# Altium PCB AD6645.PcbDoc (part 2 of 2)
Units mil, origin at the board's own origin, x right, y up, seen from the top; angles counter-clockwise.
Board outline 2685.03 x 2690.03 mil, 4 copper layers (Top Layer, GND Layer, PWR Layer, Bottom Layer), stack 61.855 mil thick; 69 components, 85 nets, 366 pads, 493 vias.
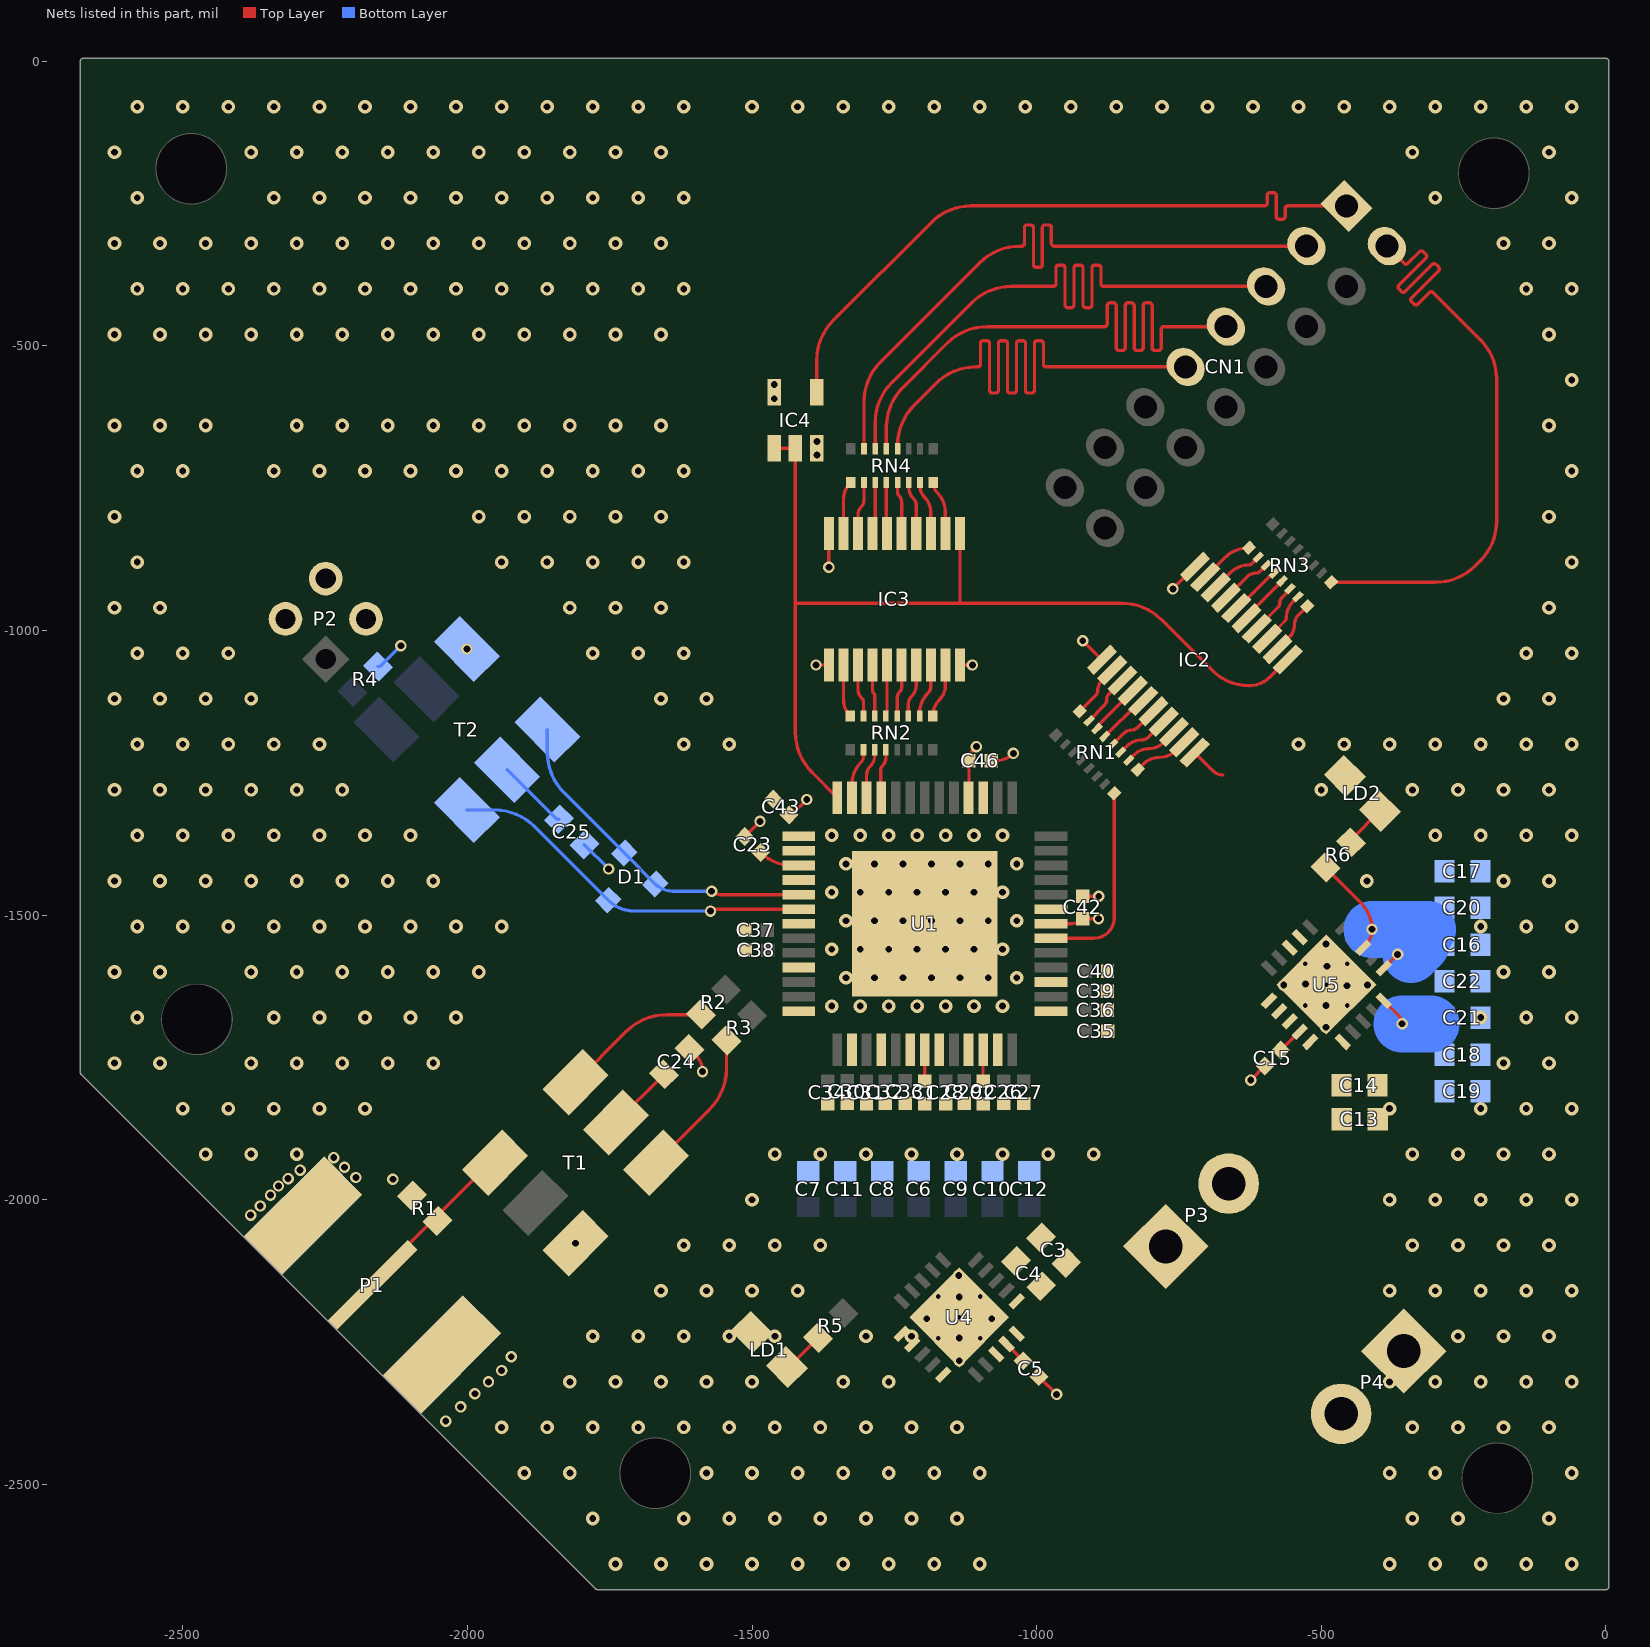
[diagram p4: the nets of this part, all layers, seen from the top]

## Via types
v1: diameter 24, hole 12, Top Layer to Bottom Layer, tented both sides, 422 vias
v2: diameter 20, hole 12, Top Layer to Bottom Layer, tented both sides, 71 vias

## Nets (pads, with @x,y where several pads share a name; then routed paths per layer and width w, separated by ;. In a path a pad name is that pad's centre, name@x,y a point inside that pad or via, vN(x,y) a via of type N, cw(c..) or ccw(c..) an arc to the next point about the centre after c; other vN are vias at no path point) (continued)
D10_OUT: CN1.9 RN4.12 | length 1197.6
  Top Layer w5.78: RN4.12@-1242.61,-680.94 RN4.12@-1244.37,-680.94 -1244.37,-674.79 cw(c-1144.37,-674.79) -1215.08,-604.08 -1177.29,-566.29 cw(c-1106.58,-637) -1106.58,-537 -1103.42,-537 ccw(c-1103.42,-532.27) -1098.69,-532.27 -1098.69,-495.77 cw(c-1093.95,-495.77) -1093.95,-491.04 -1087.64,-491.04 cw(c-1087.64,-495.77) -1082.91,-495.77 -1082.91,-578.23 ccw(c-1078.17,-578.23) -1078.17,-582.96 -1071.86,-582.96 ccw(c-1071.86,-578.23) -1067.13,-578.23 -1067.13,-495.77 cw(c-1062.39,-495.77) -1062.39,-491.04 -1056.08,-491.04 cw(c-1056.08,-495.77) -1051.35,-495.77 -1051.35,-578.23 ccw(c-1046.61,-578.23) -1046.61,-582.96 -1040.3,-582.96 ccw(c-1040.3,-578.23) -1035.57,-578.23 -1035.57,-495.77 cw(c-1030.83,-495.77) -1030.83,-491.04 -1024.52,-491.04 cw(c-1024.52,-495.77) -1019.79,-495.77 -1019.79,-578.23 ccw(c-1015.05,-578.23) -1015.05,-582.96 -1008.74,-582.96 ccw(c-1008.74,-578.23) -1004.01,-578.23 -1004.01,-495.77 cw(c-999.27,-495.77) -999.27,-491.04 -992.96,-491.04 cw(c-992.96,-495.77) -988.23,-495.77 -988.23,-532.27 ccw(c-983.49,-532.27) -983.49,-537 CN1.9@-738.42,-537
D11: RN2.4 U1.49 | length 86.9
  Top Layer w5.78: U1.49@-1273.32,-1293.76 cw(c-1271.67,-1292.11) -1274,-1292.11 -1274,-1245.24 cw(c-1263.76,-1245.24) -1271,-1238 ccw(c-1285.87,-1223.13) -1264.84,-1223.13 RN2.4@-1264.84,-1209.53
D11_OUT: CN1.7 RN4.13 | length 1195.8
  Top Layer w5.78: RN4.13@-1264.06,-680.94 -1264.06,-643.48 cw(c-1164.06,-643.48) -1234.77,-572.77 -1157.58,-495.58 cw(c-1086.87,-566.29) -1086.87,-466.29 -880.84,-466.29 ccw(c-880.84,-461.56) -876.11,-461.56 -876.11,-429.24 cw(c-871.38,-429.24) -871.38,-424.51 -865.06,-424.51 cw(c-865.06,-429.24) -860.33,-429.24 -860.33,-503.34 ccw(c-855.6,-503.34) -855.6,-508.07 -849.28,-508.07 ccw(c-849.28,-503.34) -844.55,-503.34 -844.55,-429.24 cw(c-839.82,-429.24) -839.82,-424.51 -833.5,-424.51 cw(c-833.5,-429.24) -828.77,-429.24 -828.77,-503.34 ccw(c-824.04,-503.34) -824.04,-508.07 -817.72,-508.07 ccw(c-817.72,-503.34) -812.99,-503.34 -812.99,-429.24 cw(c-808.26,-429.24) -808.26,-424.51 -801.94,-424.51 cw(c-801.94,-429.24) -797.21,-429.24 -797.21,-503.34 ccw(c-792.48,-503.34) -792.48,-508.07 -786.16,-508.07 ccw(c-786.16,-503.34) -781.43,-503.34 -781.43,-471.02 cw(c-776.7,-471.02) -776.7,-466.29 CN1.7@-667.71,-466.29
D12: RN2.3 U1.50 | length 88.1
  Top Layer w5.78: U1.50@-1298.91,-1293.76 -1298.91,-1254.67 cw(c-1275.33,-1254.67) -1292,-1238 ccw(c-1310.04,-1219.96) -1284.53,-1219.96 RN2.3@-1284.53,-1209.53
D12_OUT: CN1.5 RN4.14 | length 1195.8
  Top Layer w5.78: RN4.14@-1283.74,-680.94 -1283.74,-635.16 cw(c-1183.74,-635.16) -1254.45,-564.45 -1114.87,-424.87 cw(c-1044.16,-495.58) -1044.16,-395.58 -970.84,-395.58 ccw(c-970.84,-390.84) -966.11,-390.84 -966.11,-363.04 cw(c-961.38,-363.04) -961.38,-358.3 -955.06,-358.3 cw(c-955.06,-363.04) -950.33,-363.04 -950.33,-428.12 ccw(c-945.6,-428.12) -945.6,-432.85 -939.28,-432.85 ccw(c-939.28,-428.12) -934.55,-428.12 -934.55,-363.04 cw(c-929.82,-363.04) -929.82,-358.3 -923.5,-358.3 cw(c-923.5,-363.04) -918.77,-363.04 -918.77,-428.12 ccw(c-914.04,-428.12) -914.04,-432.85 -907.72,-432.85 ccw(c-907.72,-428.12) -902.99,-428.12 -902.99,-363.04 cw(c-898.26,-363.04) -898.26,-358.3 -891.94,-358.3 cw(c-891.94,-363.04) -887.21,-363.04 -887.21,-390.84 ccw(c-882.48,-390.84) -882.48,-395.58 CN1.5@-597,-395.58
D13: RN2.2 U1.51 | length 65.3
  Top Layer w5.78: U1.51@-1324.5,-1269.41 cw(c-1271.59,-1269.41) -1309,-1232 ccw(c-1320.56,-1220.44) -1304.21,-1220.44 RN2.2@-1304.21,-1209.53
D13_OUT: CN1.3 RN4.15 | length 1195.8
  Top Layer w5.78: RN4.15@-1303.43,-680.94 -1303.43,-598.85 cw(c-1203.43,-598.85) -1274.14,-528.14 -1100.16,-354.16 cw(c-1029.45,-424.87) -1029.45,-324.87 -1026.29,-324.87 ccw(c-1026.29,-320.13) -1021.56,-320.13 -1021.56,-292.32 cw(c-1016.82,-292.32) -1016.82,-287.59 -1010.51,-287.59 cw(c-1010.51,-292.32) -1005.78,-292.32 -1005.78,-357.41 ccw(c-1001.04,-357.41) -1001.04,-362.15 -994.73,-362.15 ccw(c-994.73,-357.41) -990,-357.41 -990,-292.32 cw(c-985.26,-292.32) -985.26,-287.59 -978.95,-287.59 cw(c-978.95,-292.32) -974.22,-292.32 -974.22,-320.13 ccw(c-969.48,-320.13) -969.48,-324.87 CN1.3@-526.29,-324.87
DRY: IC2.11 IC3.11 IC4.1 IC4.2 U1.52 | length 1729.8
  Top Layer w5.78: IC4.1@-1461.4,-680 IC4.2@-1424,-680 ; IC4.2@-1424,-684.21 -1424,-952 ; U1.52@-1350.09,-1293.76 -1394.71,-1249.14 cw(c-1324,-1178.43) -1424,-1178.43 -1424,-952 ; IC3.11@-1134.84,-829.33 -1134.84,-949.97 ccw(c-1131.97,-949.97) -1134,-952 ; IC2.11@-558.94,-1050.9 -589.52,-1081.48 cw(c-627,-1044) -627,-1097 cw(c-627,-1005.26) -691.87,-1070.13 -780.71,-981.29 ccw(c-851.42,-1052) -851.42,-952 -1134,-952 ; -1424,-952 -1134,-952
DRY_OUT: CN1.1 IC4.4 | length 1195.8
  Top Layer w5.78: IC4.4@-1386.6,-581.57 -1386.6,-526.02 cw(c-1286.6,-526.02) -1357.31,-455.31 -1185.45,-283.45 cw(c-1114.74,-354.16) -1114.74,-254.16 -599.84,-254.16 ccw(c-599.84,-249.42) -595.11,-249.42 -595.11,-235.61 cw(c-590.38,-235.61) -590.38,-230.87 -584.06,-230.87 cw(c-584.06,-235.61) -579.33,-235.61 -579.33,-272.71 ccw(c-574.6,-272.71) -574.6,-277.44 -568.28,-277.44 ccw(c-568.28,-272.71) -563.55,-272.71 -563.55,-258.89 cw(c-558.82,-258.89) -558.82,-254.16 CN1.1@-455.58,-254.16
DVCC: C16.2 C17.2 C18.2 C19.2 C20.2 C21.2 C22.2 C42.2 C43.2 C46.2 IC2.20 IC3.20 IC4.5 R6.1 U1.1 U1.33 U1.43 U5.1 U5.3 U5.20 | length 880.8
  Top Layer w5.78: C43.2@-1435,-1324 ccw(c-1435,-1314.34) -1428.17,-1321.17 v2(-1404,-1297) ; v2@-1365.16,-886.84 IC3.20@-1365.16,-829.33 ; v2(-1365,-889) -1365,-887 v2@-1362,-884 ; U1.43@-1119.77,-1293.76 ccw(c-1121.64,-1291.9) -1119,-1291.9 C46.2@-1119,-1229 cw(c-1090.03,-1229) -1110.51,-1208.51 v2(-1106,-1204) ; U1.33@-975.09,-1515.22 -940.37,-1515.22 ccw(c-940.37,-1485) C42.2@-919,-1506.37 v2(-891.37,-1506.37) ; v2(-760.76,-927) IC2.20@-721.8,-888.04 ; R6.1@-492.54,-1416.54 -430.03,-1479.05 cw(c-475.98,-1525) v2(-411,-1525) cw(c-450.95,-1525) -422.7,-1553.25 U5.3@-426.81,-1557.36 ; U5.20@-390.62,-1650.62 -363.49,-1677.75 cw(c-376.74,-1691) v2(-358,-1691) ; U5.1@-390.62,-1593.55 v2(-366.07,-1569)
  Bottom Layer w5.78: v2(-366.07,-1569) -342.22,-1569 C16.2@-293,-1569 ; -307,-1691 -293.83,-1691 C21.2@-283.5,-1680.67 ; -290,-1525 -289,-1526
  Bottom Layer w100: v2(-411,-1525) -313,-1525 ; v2(-358,-1691) -307,-1691 ; -342.22,-1569 -325.06,-1551.83
  other v2: -1461,-593 -1461,-568
GND: C1.2 C2.2 C3.1 C4.1 C5.1 C6.1 C7.1 C8.1 C9.1 C10.1 C11.1 C12.1 C13.1 C14.1 C15.1 C16.1 C17.1 C18.1 C19.1 C20.1 C21.1 C22.1 C23.1 C24.2 C25.2 C26.1 C27.1 C28.1 C29.1 C30.1 C31.1 C32.1 C33.1 C34.1 C35.1 C36.1 C37.1 C38.1 C39.1 C40.1 C42.1 C43.1 C46.1 IC2.1 IC2.10 IC3.1 IC3.10 IC4.3 LD1.2 LD2.2 P1.2 P2.2 P2.3 P2.4 P3.2 P4.1 R1.1 R4.1 T1.3 T2.3 U1.2 U1.4 U1.7 U1.10 U1.13 U1.15 U1.17 U1.19 U1.21 U1.23 U1.25 U1.27 U1.29 U1.34 U1.42 U1.EPAD U4.6 U4.7 U4.10 U4.21 U5.7 U5.8 U5.11 U5.12 U5.21 | length 507.5
  Top Layer w5.78: C24.2@-1610,-1735 -1599.02,-1745.98 cw(c-1628.04,-1775) v2(-1587,-1775) ; C23.1@-1512.84,-1362.16 v2(-1486,-1335.32) ; v2(-1387.67,-1060.67) IC3.1@-1365.16,-1060.67 ; IC3.10@-1134.84,-1060.67 v2(-1113.03,-1060.67) ; C46.1@-1079.63,-1229 -1072.38,-1229 ccw(c-1072.38,-1184.62) v2(-1041,-1216) ; C5.1@-996.16,-2310.84 v2(-965,-2342) ; C42.1@-919,-1467 v2(-891,-1467) ; v2(-919,-1018) IC2.1@-885.38,-1051.62 ; IC2.10@-722.52,-1214.48 -690.07,-1246.93 ccw(c-673,-1229.86) -673,-1254 ; v2(-624,-1790) C15.1@-599,-1765
  Bottom Layer w5.78: R4.1@-2157.46,-1063.46 ccw(c-2157.46,-1053.8) -2150.63,-1060.63 v2(-2117,-1027) ; C25.2@-1794.73,-1376.27 v2(-1752,-1419)
  other v1: -1740,-2640 -1660,-2640 -1580,-2640 -1500,-2640 -1420,-2640 -1340,-2640 -1260,-2640 -1180,-2640 -1100,-2640 -380,-2640 -300,-2640 -220,-2640 -140,-2640 -60,-2640 -1780,-2560 -1620,-2560 -1540,-2560 -1460,-2560 -1380,-2560 -1300,-2560 -1220,-2560 -1140,-2560 -340,-2560 -260,-2560 -100,-2560 -1900,-2480 -1820,-2480 -1580,-2480 -1500,-2480 -1420,-2480 -1340,-2480 -1260,-2480 -1180,-2480 -1100,-2480 -380,-2480 -300,-2480 -60,-2480 -1940,-2400 -1860,-2400 -1780,-2400 -1700,-2400 -1620,-2400 -1540,-2400 -1460,-2400 -1380,-2400 -1300,-2400 -1220,-2400 -1140,-2400 -340,-2400 -260,-2400 -180,-2400 -100,-2400 -1820,-2320 -1740,-2320 -1660,-2320 -1580,-2320 -1500,-2320 -1340,-2320 -1260,-2320 -380,-2320 -300,-2320 -220,-2320 -140,-2320 -60,-2320 -1780,-2240 -1700,-2240 -1620,-2240 -1540,-2240 -1460,-2240 -1300,-2240 -1220,-2240 -260,-2240 -180,-2240 -100,-2240 -1660,-2160 -1580,-2160 -1500,-2160 -1420,-2160 -380,-2160 -300,-2160 -220,-2160 -140,-2160 -60,-2160 -1620,-2080 -1540,-2080 -1460,-2080 -1380,-2080 -340,-2080 -260,-2080 -180,-2080 -100,-2080 -1500,-2000 -380,-2000 -300,-2000 -220,-2000 -140,-2000 -60,-2000 -2460,-1920 -2380,-1920 -2300,-1920 -1460,-1920 -1380,-1920 -1300,-1920 -1220,-1920 -1140,-1920 -1060,-1920 -980,-1920 -900,-1920 -340,-1920 -260,-1920 -180,-1920 -100,-1920 -2500,-1840 -2420,-1840 -2340,-1840 -2260,-1840 -2180,-1840 -380,-1840 -220,-1840 -140,-1840 -60,-1840 -2620,-1760 -2540,-1760 -2380,-1760 -2300,-1760 -2220,-1760 -2140,-1760 -2060,-1760 -180,-1760 -100,-1760 -2580,-1680 -2340,-1680 -2260,-1680 -2180,-1680 -2100,-1680 -2020,-1680 -220,-1680 -140,-1680 -60,-1680 -1360,-1660 -1310,-1660 -1260,-1660 -1210,-1660 -1160,-1660 -1110,-1660 -1060,-1660 -1335,-1610 -1285,-1610 -1235,-1610 -1185,-1610 -1135,-1610 -1085,-1610 -1035,-1610 -2620,-1600 -2540,-1600 -2380,-1600 -2300,-1600 -2220,-1600 -2140,-1600 -2060,-1600 -1980,-1600 -180,-1600 -100,-1600 -1360,-1560 -1310,-1560 -1260,-1560 -1210,-1560 -1160,-1560 -1110,-1560 -1060,-1560 -2580,-1520 -2500,-1520 -2420,-1520 -2340,-1520 -2260,-1520 -2180,-1520 -2100,-1520 -2020,-1520 -1940,-1520 -220,-1520 -140,-1520 -60,-1520 -1335,-1510 -1285,-1510 -1235,-1510 -1185,-1510 -1135,-1510 -1085,-1510 -1035,-1510 -1360,-1460 -1310,-1460 -1260,-1460 -1210,-1460 -1160,-1460 -1110,-1460 -1060,-1460 -2620,-1440 -2540,-1440 -2460,-1440 -2380,-1440 -2300,-1440 -2220,-1440 -2140,-1440 -2060,-1440 -420,-1440 -180,-1440 -100,-1440 -1335,-1410 -1285,-1410 -1235,-1410 -1185,-1410 -1135,-1410 -1085,-1410 -1035,-1410 -2580,-1360 -2500,-1360 -2420,-1360 -2340,-1360 -2260,-1360 -2180,-1360 -2100,-1360 -1360,-1360 -1310,-1360 -1260,-1360 -1210,-1360 -1160,-1360 -1110,-1360 -1060,-1360 -300,-1360 -220,-1360 -140,-1360 -60,-1360 -2620,-1280 -2540,-1280 -2460,-1280 -2380,-1280 -2300,-1280 -2220,-1280 -500,-1280 -340,-1280 -260,-1280 -180,-1280 -100,-1280 -2580,-1200 -2500,-1200 -2420,-1200 -2340,-1200 -2260,-1200 -1620,-1200 -1540,-1200 -540,-1200 -460,-1200 -380,-1200 -300,-1200 -220,-1200 -140,-1200 -60,-1200 -2620,-1120 -2540,-1120 -2460,-1120 -2380,-1120 -1660,-1120 -1580,-1120 -180,-1120 -100,-1120 -2580,-1040 -2500,-1040 -2420,-1040 -1780,-1040 -1700,-1040 -1620,-1040 -140,-1040 -60,-1040 -2620,-960 -2540,-960 -1820,-960 -1740,-960 -1660,-960 -100,-960 -2580,-880 -1940,-880 -1860,-880 -1780,-880 -1700,-880 -1620,-880 -60,-880 -2620,-800 -1980,-800 -1900,-800 -1820,-800 -1740,-800 -1660,-800 -100,-800 -2580,-720 -2500,-720 -2340,-720 -2260,-720 -2180,-720 -2100,-720 -2020,-720 -1940,-720 -1860,-720 -1780,-720 -1700,-720 -1620,-720 -60,-720 -2620,-640 -2540,-640 -2460,-640 -2300,-640 -2220,-640 -2140,-640 -2060,-640 -1980,-640 -1900,-640 -1820,-640 -1740,-640 -1660,-640 -100,-640 -60,-560 -2620,-480 -2540,-480 -2460,-480 -2380,-480 -2300,-480 -2220,-480 -2140,-480 -2060,-480 -1980,-480 -1900,-480 -1820,-480 -1740,-480 -1660,-480 -100,-480 -2580,-400 -2500,-400 -2420,-400 -2340,-400 -2260,-400 -2180,-400 -2100,-400 -2020,-400 -1940,-400 -1860,-400 -1780,-400 -1700,-400 -1620,-400 -140,-400 -60,-400 -2620,-320 -2540,-320 -2460,-320 -2380,-320 -2300,-320 -2220,-320 -2140,-320 -2060,-320 -1980,-320 -1900,-320 -1820,-320 -1740,-320 -1660,-320 -180,-320 -100,-320 -2580,-240 -2340,-240 -2260,-240 -2180,-240 -2100,-240 -2020,-240 -1940,-240 -1860,-240 -1780,-240 -1700,-240 -1620,-240 -300,-240 -60,-240 -2620,-160 -2380,-160 -2300,-160 -2220,-160 -2140,-160 -2060,-160 -1980,-160 -1900,-160 -1820,-160 -1740,-160 -1660,-160 -340,-160 -100,-160 -2580,-80 -2500,-80 -2420,-80 -2340,-80 -2260,-80 -2180,-80 -2100,-80 -2020,-80 -1940,-80 -1860,-80 -1780,-80 -1700,-80 -1620,-80 -1500,-80 -1420,-80 -1340,-80 -1260,-80 -1180,-80 -1100,-80 -1020,-80 -940,-80 -860,-80 -780,-80 -700,-80 -620,-80 -540,-80 -460,-80 -380,-80 -300,-80 -220,-80 -140,-80 -60,-80
  other v2: -2038,-2389 -2012,-2364 -1987,-2341 -1963,-2320 -1940,-2300 -1136,-2283 -1923,-2276 -1136,-2243 -1193,-2209 -1079,-2209 -1136,-2171 -1137,-2133 -1810,-2076.42 -2381,-2027 -2364,-2011 -2346,-1992 -2332,-1976 -2131,-1964 -2315,-1963 -2196,-1961 -2294,-1948 -2216,-1943 -2235,-1926 -492,-1697 -492,-1659 -455,-1624 -566,-1623 -419,-1623 -528,-1621 -490,-1590 -492,-1551 -2001,-1032.58 -1386,-692 -1386,-668
NetC1_1: C1.1 U1.20 | length 55.4
  Top Layer w5.78: C1.1@-1197,-1792 ccw(c-1198.1,-1790.9) -1196.54,-1790.9 U1.20@-1196.54,-1736.68
NetC2_1: C2.1 U1.24 | length 55.1
  Top Layer w5.78: C2.1@-1094.18,-1791.82 U1.24@-1094.18,-1736.68
NetC5_2: C5.2 U4.14 | length 42.3
  Top Layer w5.78: U4.14@-1054.18,-2253.63 cw(c-1054.18,-2255.58) -1052.8,-2254.2 C5.2@-1024,-2283
NetC15_2: C15.2 U5.14 | length 46.3
  Top Layer w5.78: C15.2@-571.16,-1737.16 -539.43,-1705.43 cw(c-538.16,-1706.69) U5.14@-538.16,-1704.9
NetC24_1: C24.1 T1.5 | length 119.9
  Top Layer w5.78: T1.5@-1739.29,-1864.29 C24.1@-1654.54,-1779.54
NetC25_1: C25.1 T2.5 | length 126.6
  Bottom Layer w5.78: T2.5@-1930.29,-1244.71 -1846.1,-1328.9 ccw(c-1839.27,-1322.07) C25.1@-1839.27,-1331.73
NetD1_1: D1.1 D1.2 T2.4 U1.5 | length 602.6
  Top Layer w5.78: v2(-1571,-1458) ccw(c-1556.42,-1443.42) -1556.42,-1464.04 U1.5@-1418,-1464.04
  Bottom Layer w5.78: T2.4@-1859.58,-1174 -1859.58,-1214.32 ccw(c-1759.58,-1214.32) -1830.29,-1285.03 D1.1@-1724.44,-1390.88 D1.2@-1669.88,-1445.44 ccw(c-1639.56,-1415.13) -1639.56,-1458 v2(-1571,-1458)
NetD1_3: D1.3 T2.6 U1.6 | length 650.3
  Top Layer w5.78: v2(-1573,-1493) cw(c-1564.86,-1501.14) -1564.86,-1489.63 U1.6@-1418,-1489.63
  Bottom Layer w5.78: T2.6@-2001,-1315.42 -1952.68,-1315.42 cw(c-1952.68,-1415.42) -1881.97,-1344.71 D1.3@-1752.84,-1473.84 ccw(c-1706.58,-1427.58) -1706.58,-1493 v2(-1573,-1493)
NetIC2_2: IC2.2 RN1.16 | length 94.4
  Top Layer w5.78: RN1.16@-924.45,-1142.03 -895.53,-1113.12 ccw(c-901.65,-1107) -893,-1107 cw(c-865.06,-1107) -884.82,-1087.25 IC2.2@-867.29,-1069.71
NetIC2_3: IC2.3 RN1.15 | length 93.8
  Top Layer w5.78: RN1.15@-908.08,-1158.4 -881.47,-1131.79 ccw(c-892.26,-1121) -877,-1121 cw(c-864.01,-1121) -873.2,-1111.82 IC2.3@-849.19,-1087.81
NetIC2_4: IC2.4 RN1.14 | length 92.2
  Top Layer w5.78: RN1.14@-894.16,-1172.32 cw(c-886.07,-1172.32) -891.79,-1166.6 IC2.4@-831.1,-1105.9
NetIC2_5: IC2.5 RN1.13 | length 92.5
  Top Layer w5.78: RN1.13@-880.24,-1186.24 -821.54,-1127.54 cw(c-813,-1136.07) IC2.5@-813,-1124
NetIC2_6: IC2.6 RN1.12 | length 94.1
  Top Layer w5.78: RN1.12@-866.32,-1200.16 -846.22,-1180.06 cw(c-834,-1192.29) -834,-1175 ccw(c-834,-1160.05) -823.43,-1170.62 IC2.6@-794.9,-1142.1
NetIC2_7: IC2.7 RN1.11 | length 95.7
  Top Layer w5.78: RN1.11@-852.4,-1214.08 -841.86,-1203.54 cw(c-814,-1231.41) -814,-1192 ccw(c-814,-1179.01) -804.82,-1188.2 IC2.7@-776.81,-1160.19
NetIC2_8: IC2.8 RN1.10 | length 97.2
  Top Layer w5.78: RN1.10@-838.48,-1228 -828.72,-1218.24 cw(c-804,-1242.97) -804,-1208 ccw(c-804,-1170.41) -777.42,-1196.99 IC2.8@-758.71,-1178.29
NetIC2_9: IC2.9 RN1.9 | length 78
  Top Layer w5.78: RN1.9@-822.11,-1244.37 -811.88,-1234.13 cw(c-785,-1261.01) -785,-1223 ccw(c-785,-1180.12) IC2.9@-754.68,-1210.44
NetIC2_12: IC2.12 RN3.8 | length 94.8
  Top Layer w5.78: IC2.12@-577.04,-1032.8 -556.73,-1012.49 ccw(c-580.22,-989) -547,-989 cw(c-524.25,-989) -540.34,-972.91 RN3.8@-524.71,-957.29
NetIC2_13: IC2.13 RN3.7 | length 94.1
  Top Layer w5.78: IC2.13@-595.13,-1014.7 -563.82,-983.39 ccw(c-569.2,-978) -561.58,-978 cw(c-521.56,-978) -549.86,-949.7 RN3.7@-541.08,-940.92
NetIC2_14: IC2.14 RN3.6 | length 92.6
  Top Layer w5.78: IC2.14@-613.23,-996.61 -576.1,-959.48 ccw(c-583.58,-952) -573,-952 cw(c-558.51,-952) -568.77,-941.77 -555.71,-928.71 ccw(c-557.41,-927) RN3.6@-555,-927
NetIC2_15: IC2.15 RN3.5 | length 91
  Top Layer w5.78: IC2.15@-631.32,-978.51 cw(c-624.01,-978.51) -629.19,-973.35 RN3.5@-568.92,-913.08
NetIC2_16: IC2.16 RN3.4 | length 91.6
  Top Layer w5.78: IC2.16@-649.42,-960.42 ccw(c-649.42,-953.59) IC2.16@-644.6,-958.43 ; IC2.16@-644.59,-958.42 -585.64,-899.47 cw(c-582.84,-912.01) RN3.4@-582.84,-899.16
NetIC2_17: IC2.17 RN3.3 | length 93
  Top Layer w5.78: IC2.17@-667.51,-942.32 -631.4,-906.21 cw(c-614,-923.6) -614,-899 ccw(c-614,-890.59) -608.06,-896.55 RN3.3@-596.76,-885.24
NetIC2_18: IC2.18 RN3.2 | length 94.6
  Top Layer w5.78: IC2.18@-685.61,-924.23 -660.01,-898.63 cw(c-626.31,-932.34) -626.31,-884.67 ccw(c-626.31,-879.16) -622.42,-883.07 RN3.2@-610.68,-871.32
NetIC2_19: IC2.19 RN3.1 | length 95.2
  Top Layer w5.78: IC2.19@-703.7,-906.13 -670.54,-872.97 cw(c-627.05,-916.46) RN3.1@-627.05,-854.95
NetIC3_2: IC3.2 RN2.16 | length 93.1
  Top Layer w5.78: IC3.2@-1339.57,-1060.67 -1339.57,-1121.01 ccw(c-1297.9,-1121.01) RN2.16@-1327.36,-1150.47
NetIC3_3: IC3.3 RN2.15 | length 92.4
  Top Layer w5.78: IC3.3@-1313.98,-1060.67 -1313.98,-1103.57 ccw(c-1293.57,-1103.57) -1308,-1118 cw(c-1317.14,-1127.14) -1304.21,-1127.14 RN2.15@-1304.21,-1150.47
NetIC3_4: IC3.4 RN2.14 | length 90.8
  Top Layer w5.78: IC3.4@-1288.39,-1060.67 -1288.39,-1103.83 ccw(c-1276.83,-1103.83) -1285,-1112 cw(c-1286.14,-1113.14) -1284.53,-1113.14 RN2.14@-1284.53,-1150.47
NetIC3_5: IC3.5 RN2.13 | length 90.4
  Top Layer w5.78: RN2.13@-1264.84,-1150.47 ccw(c-1269.78,-1145.53) -1262.8,-1145.53 IC3.5@-1262.8,-1060.67
NetIC3_6: IC3.6 RN2.12 | length 91.9
  Top Layer w5.78: RN2.12@-1245.16,-1150.47 -1245.16,-1119.45 cw(c-1227.55,-1119.45) -1240,-1107 ccw(c-1246.75,-1100.25) -1237.2,-1100.25 IC3.6@-1237.2,-1060.67
NetIC3_7: IC3.7 RN2.11 | length 93.5
  Top Layer w5.78: RN2.11@-1225.47,-1150.47 -1225.47,-1129.21 cw(c-1206.79,-1129.21) -1220,-1116 ccw(c-1240.25,-1095.75) -1211.61,-1095.75 IC3.7@-1211.61,-1060.67
NetIC3_8: IC3.8 RN2.10 | length 90.3
  Top Layer w5.78: RN2.10@-1205.79,-1145.7 cw(c-1155.3,-1145.7) -1191,-1110 ccw(c-1203.01,-1097.99) -1186.02,-1097.99 IC3.8@-1186.02,-1060.67
NetIC3_9: IC3.9 RN2.9 | length 95.7
  Top Layer w5.78: RN2.9@-1182.64,-1150.47 cw(c-1142,-1150.47) -1170.73,-1121.73 ccw(c-1195.6,-1096.87) -1160.43,-1096.87 IC3.9@-1160.43,-1060.67
NetIC3_12: IC3.12 RN4.8 | length 95.1
  Top Layer w5.78: RN4.8@-1181.85,-740 ccw(c-1154.93,-740) -1173.97,-759.03 cw(c-1206.64,-791.71) -1160.43,-791.71 IC3.12@-1160.43,-829.33
NetIC3_13: IC3.13 RN4.7 | length 94.4
  Top Layer w5.78: RN4.7@-1205,-740 -1205,-746.69 ccw(c-1177.69,-746.69) -1197,-766 cw(c-1223.5,-792.5) -1186.02,-792.5 IC3.13@-1186.02,-829.33
NetIC3_14: IC3.14 RN4.6 | length 92.8
  Top Layer w5.78: RN4.6@-1224.68,-740 -1224.68,-748.03 ccw(c-1195.03,-748.03) -1216,-769 cw(c-1226.59,-779.59) -1211.61,-779.59 IC3.14@-1211.61,-829.33
NetIC3_15: IC3.15 RN4.5 | length 91.2
  Top Layer w5.78: RN4.5@-1244.37,-740 -1244.37,-757.28 ccw(c-1236.28,-757.28) -1242,-763 cw(c-1253.58,-774.58) -1237.2,-774.58 IC3.15@-1237.2,-829.33
NetIC3_16: IC3.16 RN4.4 | length 89.7
  Top Layer w5.78: RN4.4@-1264.06,-740 -1264.06,-826.29 ccw(c-1259.75,-826.29) IC3.16@-1262.8,-829.33
NetIC3_17: IC3.17 RN4.3 | length 90.6
  Top Layer w5.78: IC3.17@-1288.39,-829.33 ccw(c-1299.6,-818.12) -1283.74,-818.12 RN4.3@-1283.74,-740
NetIC3_18: IC3.18 RN4.2 | length 92.2
  Top Layer w5.78: IC3.18@-1313.98,-829.33 -1313.98,-796.01 cw(c-1296.99,-796.01) -1309,-784 ccw(c-1322.46,-770.54) -1303.43,-770.54 RN4.2@-1303.43,-740
NetIC3_19: IC3.19 RN4.1 | length 92.8
  Top Layer w5.78: IC3.19@-1339.57,-829.33 -1339.57,-771.37 cw(c-1295.21,-771.37) RN4.1@-1326.57,-740
NetLD1_1: LD1.1 R5.2 | length 75.3
  Top Layer w5.78: LD1.1@-1438.98,-2293.93 ccw(c-1438.98,-2284.17) -1432.07,-2291.07 R5.2@-1384.27,-2243.27
NetLD2_1: LD2.1 R6.2 | length 75.7
  Top Layer w5.78: R6.2@-448,-1372 cw(c-438.34,-1372) -445.17,-1365.17 LD2.1@-397,-1317
NetP1_1: P1.1 R1.2 T1.1 | length 289.9
  Top Layer w5.78: P1.1@-2165,-2140 T1.1@-1960,-1935
NetR2_1: R2.1 T1.6 | length 264.8
  Top Layer w5.78: T1.6@-1810,-1793.58 -1720.71,-1704.29 cw(c-1650,-1775) -1650,-1675 R2.1@-1590,-1675
NetR3_1: R3.1 T1.4 | length 261.9
  Top Layer w5.78: T1.4@-1668.58,-1935 -1574.29,-1840.71 ccw(c-1645,-1770) -1545,-1770 R3.1@-1545,-1720
OVER: RN1.8 U1.32 | length 350.6
  Top Layer w5.78: U1.32@-975.09,-1540.81 -900.1,-1540.81 ccw(c-900.1,-1503.9) -874,-1530 ccw(c-898.45,-1505.55) -863.87,-1505.55 RN1.8@-863.87,-1286.13
OVER_OUT: CN1.2 RN3.9 | length 1195.8
  Top Layer w5.78: RN3.9@-482.95,-915.53 -299.95,-915.53 ccw(c-299.95,-815.53) -229.24,-886.24 -221.29,-878.29 ccw(c-292,-807.58) -192,-807.58 -192,-559.16 ccw(c-292,-559.16) -221.29,-488.45 -303.31,-406.43 ccw(c-306.66,-409.77) -310,-406.43 -330.4,-426.82 cw(c-333.75,-423.47) -337.09,-426.82 -341.56,-422.36 cw(c-338.21,-419.01) -341.56,-415.66 -294.07,-368.18 ccw(c-297.42,-364.83) -294.07,-361.48 -298.54,-357.02 ccw(c-301.88,-360.37) -305.23,-357.02 -352.72,-404.51 cw(c-356.06,-401.16) -359.41,-404.51 -363.87,-400.04 cw(c-360.53,-396.7) -363.87,-393.35 -316.39,-345.86 ccw(c-319.74,-342.52) -316.39,-339.17 -320.85,-334.7 ccw(c-324.2,-338.05) -327.55,-334.7 -347.94,-355.1 cw(c-351.29,-351.75) -354.64,-355.1 CN1.2@-384.87,-324.87
VCC: C3.2 C4.2 C13.2 C14.2 P3.1 P4.2 U4.13 U4.15 U4.16 U5.13 U5.15 U5.16
VREF: C23.2 U1.3 | length 73.1
  Top Layer w5.78: C23.2@-1485,-1390 ccw(c-1429.82,-1334.82) -1429.82,-1412.86 U1.3@-1418,-1412.86
pads on no net: RN2.1 RN4.16 T1.2 T2.2 U1.31 U1.35 U4.2 U4.4 U4.5 U4.8 U4.9 U4.11 U4.12 U4.17 U4.18 U4.19 U5.2 U5.4 U5.5 U5.6 U5.9 U5.10 U5.17 U5.18 U5.19

## Polygon pours and split planes (outlines as drawn)
VCC on Top Layer "Top Layer-No Net" (solid, pour order 0): -960,-2096 -1023.27,-2159.27 ccw(c-992.55,-2190) -1036,-2190 -1036,-2209.74 cw(c-1098.07,-2209.74) -1054.18,-2253.63 -1063.83,-2263.28 ccw(c-1044.12,-2283) -1072,-2283 -1072,-2682.59 cw(c-1075.41,-2682.59) -1073,-2685 -476.43,-2685 ccw(c-476.43,-2635.38) -440,-2669.07 -440,-1743.73 ccw(c-470.72,-1743.73) -449,-1722 ccw(c-461.07,-1734.06) -461.07,-1717 -508.96,-1717 cw(c-508.96,-1675.71) -538.16,-1704.9 ccw(c-578.97,-1745.71) -578.98,-1688 -580,-1688 ccw(c-580,-1753.18) -626.09,-1707.09 -925,-2006 ccw(c-876.72,-2054.28) -945,-2054.28 -945,-2059.79 cw(c-996.21,-2059.79)
GND on Top Layer "Top Layer-No Net" (solid, pour order 4): -2680,5 5,5 5,-2685 -1774,-2685 -2681,-1778
GND on Bottom Layer "Top Layer-No Net" (solid, pour order 10): -2655.91,9 4.17,9 cw(c4.17,2.18) 9,7 9,-2679.76 cw(c-1.24,-2679.76) 6,-2687 cw(c1.17,-2682.17) 1.17,-2689 -1769.75,-2689 -2680.04,-1778.7
GND on GND Layer (split plane): -15.08,-2664.92 -1765.41,-2664.92 -2659.92,-1770.41 -2659.92,-15.08 -15.08,-15.08
AVCC on PWR Layer (split plane): -2285.73,-1121.73 -1890.73,-1516.73 -1887.74,-1519.29 -1886.44,-1520.08 -1884.38,-1521.34 -1882.88,-1521.97 -1880.75,-1522.85 -1877.84,-1523.55 -1876.92,-1523.77 -1873,-1524.08 -1195.39,-1524.08 -1149.73,-1569.73 -1146.74,-1572.29 -1143.38,-1574.34 -1139.75,-1575.85 -1135.92,-1576.77 -1132,-1577.08 -899.39,-1577.08 -793.73,-1682.73 -58.73,-2417.73 -55.74,-2420.29 -54.13,-2421.27 -54.13,-2625.87 -1749.23,-2625.87 -2620.87,-1754.23 -2620.87,-786.6
DVCC on PWR Layer (split plane): -54.13,-2351.4 -758.27,-1647.27 -871.27,-1534.27 -874.26,-1531.71 -877.62,-1529.66 -881.25,-1528.15 -885.08,-1527.23 -889,-1526.92 -1121.61,-1526.92 -1167.27,-1481.27 -1170.26,-1478.71 -1173.62,-1476.66 -1177.25,-1475.15 -1181.08,-1474.23 -1185,-1473.92 -1862.61,-1473.92 -2250.27,-1086.27 -2620.87,-715.67 -2620.87,-54.13 -54.13,-54.13

## Keep-outs
Keep-Out Layer:
  lines w10: 0,-2677.17 0,0 ; 0,0 0,-235 0,-2680 -1771.65,-2680 -2675,-1776.65 -2675,-1771.65 -2675,0 0,0

## Other copper
Top Layer:
  rectangle net DVCC: -1447,-1369 -1388,-1320
  rectangle net AVCC: -1485,-1575 -1390,-1532
  rectangle net GND: -1479,-1296 -1431,-1244
  region net GND: -1821,-2355 -1955,-2221 -2097.13,-2363.13 -1963.13,-2497.13
  region net GND: -2104,-2027 -2067.23,-1990.23 -2147.73,-1909.73 -2184.5,-1946.5
  pour cut-out: -1487.65,-1589 -1760.58,-1589 ccw(c-1760.58,-1689) -1831.29,-1618.29 -2331.88,-2118.88 ccw(c-2326.76,-2124) -2334,-2124 -2024.24,-2433.76 cw(c-2034.48,-2444) -2020,-2444 -1477.29,-1901.29 ccw(c-1548,-1830.58) -1448,-1830.58 -1448,-1664.83 cw(c-1443.78,-1664.83) -1446.93,-1662.03
  pour cut-out: -1450,-1187.5 -1562.71,-1074.79 cw(c-1492,-1004.08) -1592,-1004.08 -1592,-256.92 cw(c-1492,-256.92) -1562.71,-186.21 -1505,-128.5 cw(c-1473.62,-159.88) -1473.62,-115.5 -498.42,-115.5 cw(c-498.42,-215.5) -427.71,-144.79 -142.29,-430.21 cw(c-213,-500.92) -113,-500.92 -113,-929.08 cw(c-213,-929.08) -142.29,-999.79 -253.71,-1111.21 cw(c-324.42,-1040.5) -324.42,-1140.5 -597,-1140.5 -660.71,-1204.21 ccw(c-590,-1274.92) -690,-1274.92 -690,-1361.08 cw(c-790,-1361.08) -719.29,-1431.79 -830,-1542.5 cw(c-854.03,-1518.47) -854.03,-1552.45 -900.1,-1552.45 ccw(c-936.14,-1552.45) -910.65,-1526.97 -976.71,-1460.92 cw(c-906,-1390.21) -1006,-1390.21 -1006,-1348.5 -1015.33,-1339.17 ccw(c-1034.52,-1358.37) -1034.52,-1331.22 cw(c-1034.52,-1310.09) -1049.47,-1325.03 -1075,-1299.5 ccw(c-1092.47,-1316.97) -1092.47,-1292.26 -1350.09,-1292.26
Bottom Layer:
  region net AVCC: -974,-1988 -1434,-1988 -1434,-2044 -974,-2044
  rectangle net DVCC: -324,-1837 -254,-1392
  pour cut-out: -2410,-868 ccw(c-2381.03,-896.97) -2422,-896.97 -2422,-972.58 ccw(c-2322,-972.58) -2392.71,-1043.29 -1875.29,-1560.71 ccw(c-1804.58,-1490) -1804.58,-1590 -1518,-1590 ccw(c-1561.46,-1546.54) -1500,-1546.54 -1500,-1413.36 ccw(c-1585.36,-1413.36) -1525,-1353 -2087.71,-790.29 ccw(c-2158.42,-861) -2158.42,-761 -2270.58,-761 ccw(c-2270.58,-861) -2341.29,-790.29 -2361,-810
PWR Layer (plane layer: these items are gaps in the copper):
  lines w10: -2661,-711 -2661,-708 ; -41,-2400 -23,-2400
  lines w50: -2661,-711 -2268,-1104 -1873,-1499 -1372,-1499 -1185,-1499 -1132,-1552 -889,-1552 -776,-1665 -41,-2400

## Silkscreen, mask and mechanical layers (free items; w line width, h text height)
Top Overlay:
  lines w10: -2673,-1213 -2673,-1212 -2481.5,-1020.5 -2325,-1177 -2517,-1369 -2673,-1213 ; -1371,-234 -1369,-236 -548,-236 -548,-102 -1371,-102 -1371,-234
  text "D7" at -1346,-162 h60
  text "D8" at -1255.13,-162 h60
  text "D9" at -1164.25,-162 h60
  text "D10" at -1073.38,-162 h60
  text "D11" at -982.51,-162 h60
  text "D12" at -891.64,-162 h60
  text "D13" at -800.76,-162 h60
  text "DRY" at -709.89,-162 h60
  text "D6" at -1346,-212.5 h60
  text "D5" at -1255.13,-212.33 h60
  text "D4" at -1164.25,-212.5 h60
  text "D3" at -1073.38,-212.5 h60
  text "D2" at -982.51,-212.5 h60
  text "D1" at -891.64,-212.5 h60
  text "D0" at -800.76,-212.33 h60
  text "OVER" at -711,-212 h60
  text "AD6645" at -2303,-255 h300
  text "14Bit,105MSPS" at -2000.76,-368 h100
  text "Input Range 0~200MHz 2.2Vpp" at -2657,-521 h100
  text "1.5W power dissipation" at -2651,-645 h100
  text "GND" at -2529.61,-1139.06 h60 r45
  text "GND" at -2626,-1237 h60 r45
  text "GND" at -2431,-1245 h60 r45
  text "DVCC" at -387,-1249 h60
  text "CLK" at -2529,-1339 h60 r45
  text "IN" at -2416,-1899 h60
  text "9V" at -801,-2343 h60
  text "AVCC" at -1539,-2386 h60
  text "VCC" at -815,-2388 h60
Top Solder:
  rectangle: -260,-2319 3,-1864
  rectangle: -1074,-2669 -439,-2455
Bottom Solder:
  region: -1181,-2354 -1035,-2208 -1134.39,-2108.61 -1280.39,-2254.61
  region: -391.09,-1621.16 -579.63,-1432.62 -681,-1534 -492.47,-1722.53
  rectangle: -1385,-1688 -1005,-1327

## Text inside footprints (layer, text, board x,y; h text height)
U1: Top Overlay "*" at -1484.26,-1358.88 h40